# Altium PCB Brake Module PCB R6.PcbDoc (part 1 of 3)
Units mm, origin at the board's own origin, x right, y up, seen from the top; angles counter-clockwise.
Board outline 73.35 x 121.67 mm, 4 copper layers (Top Layer, GND, Power, Bottom Layer), stack 1.371 mm thick; 150 components, 97 nets, 517 pads, 201 vias.
Unrouted connection lines stored in the file: 1.
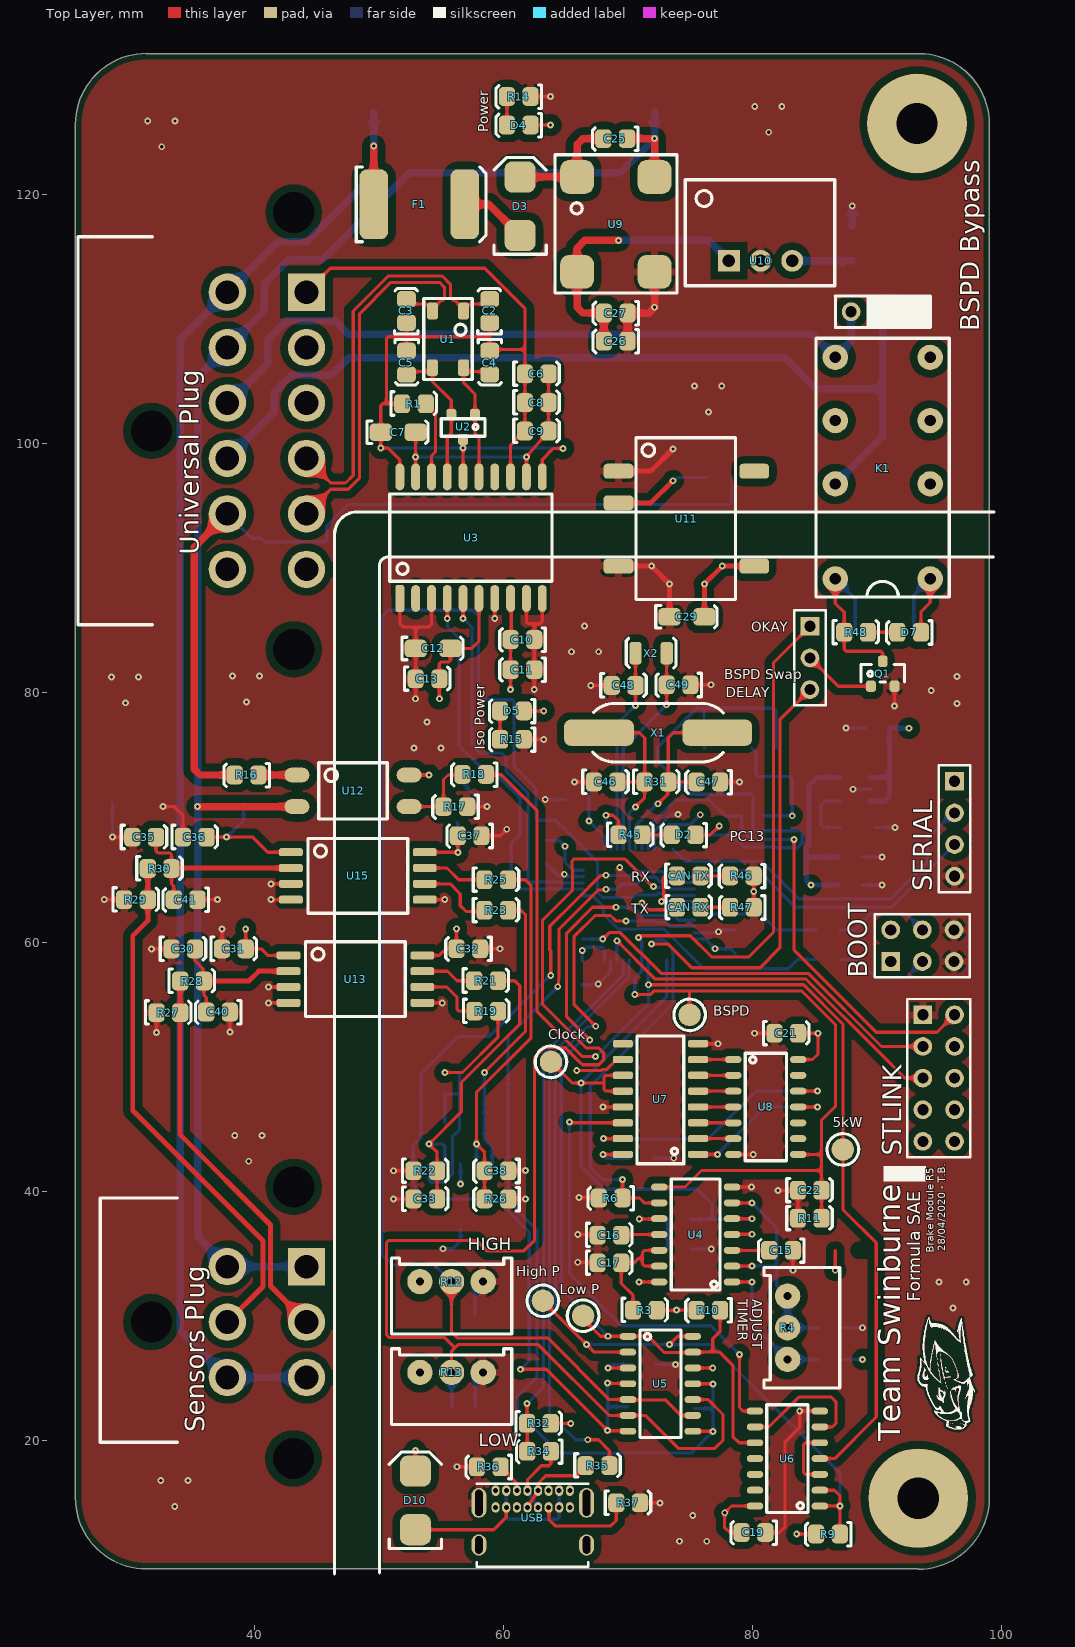
[diagram p0: Top Layer view]
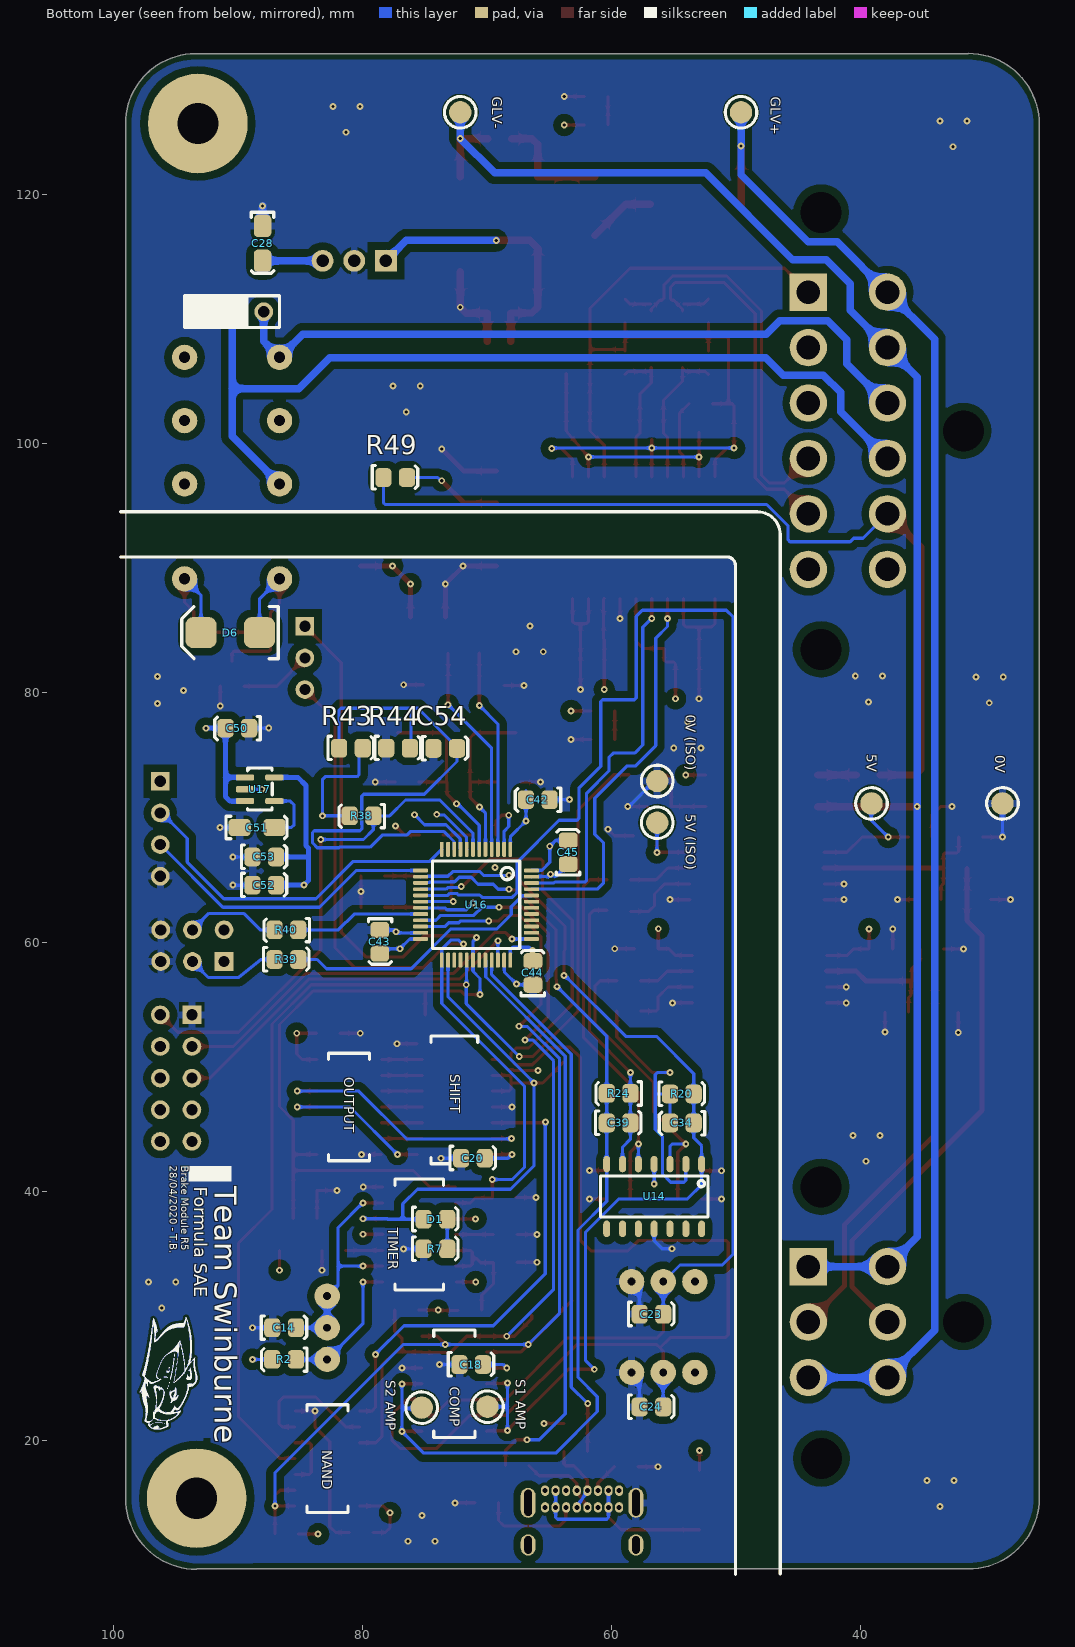
[diagram p1: Bottom Layer view, seen from below]
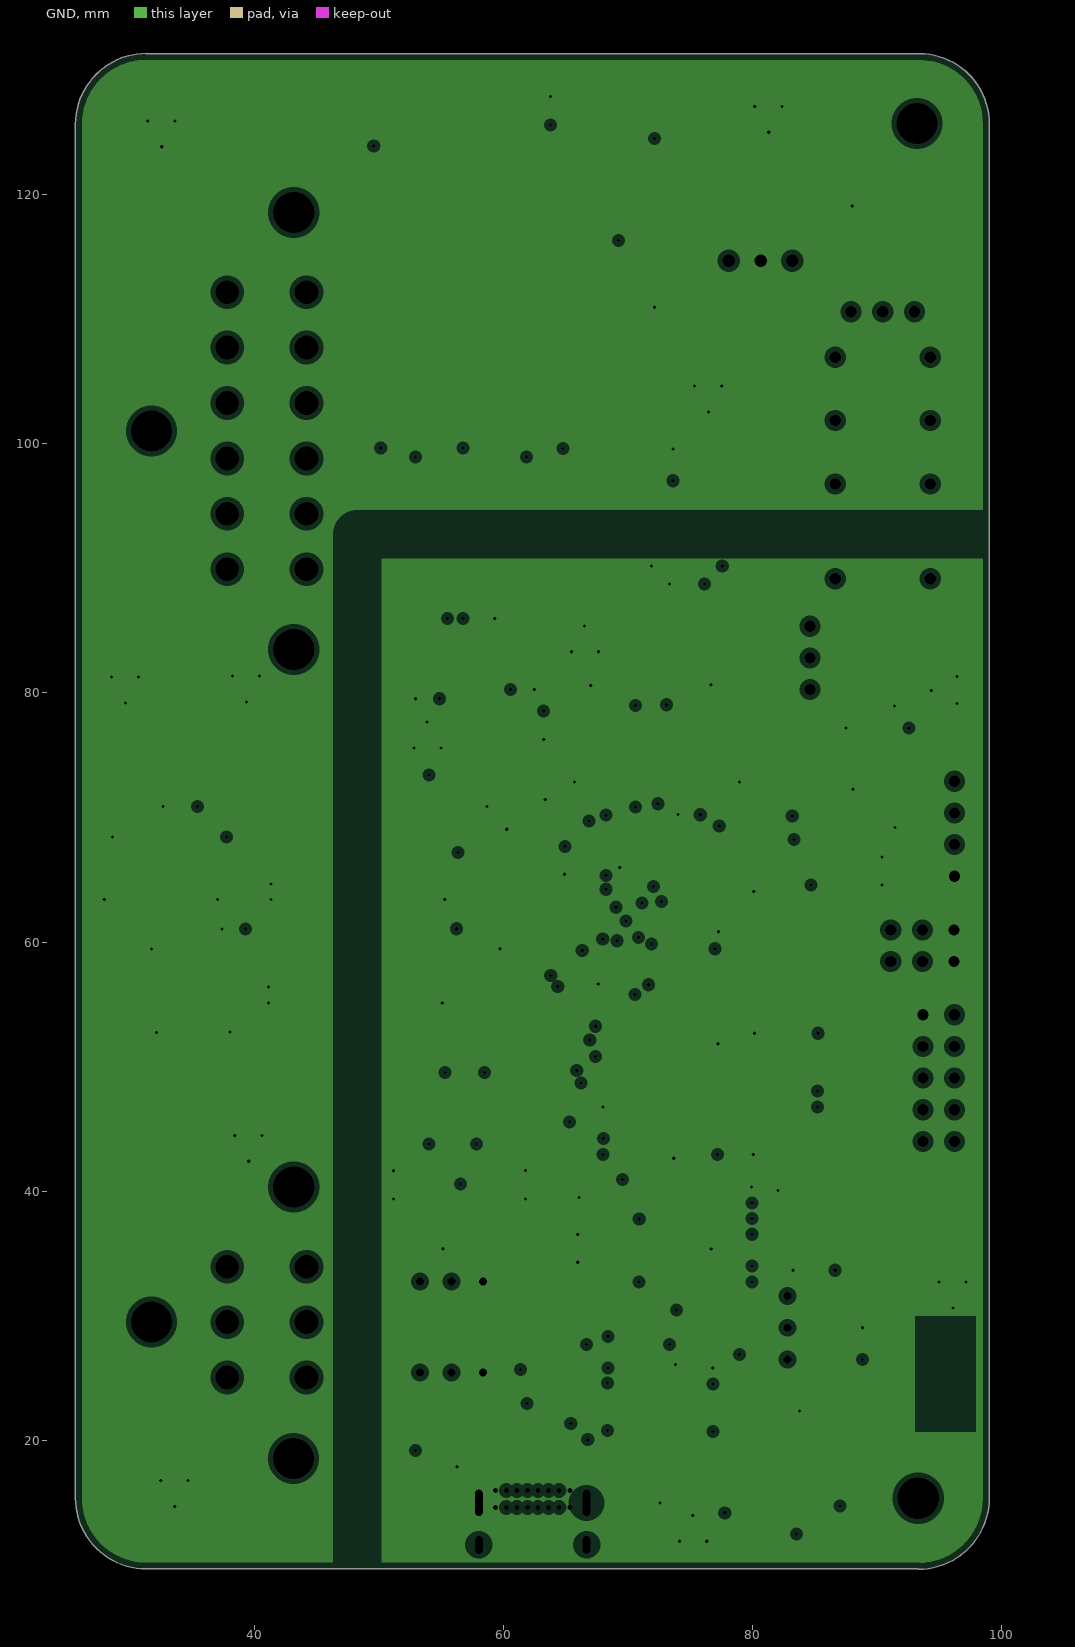
[diagram p2: GND, clearances drawn from the general rule]
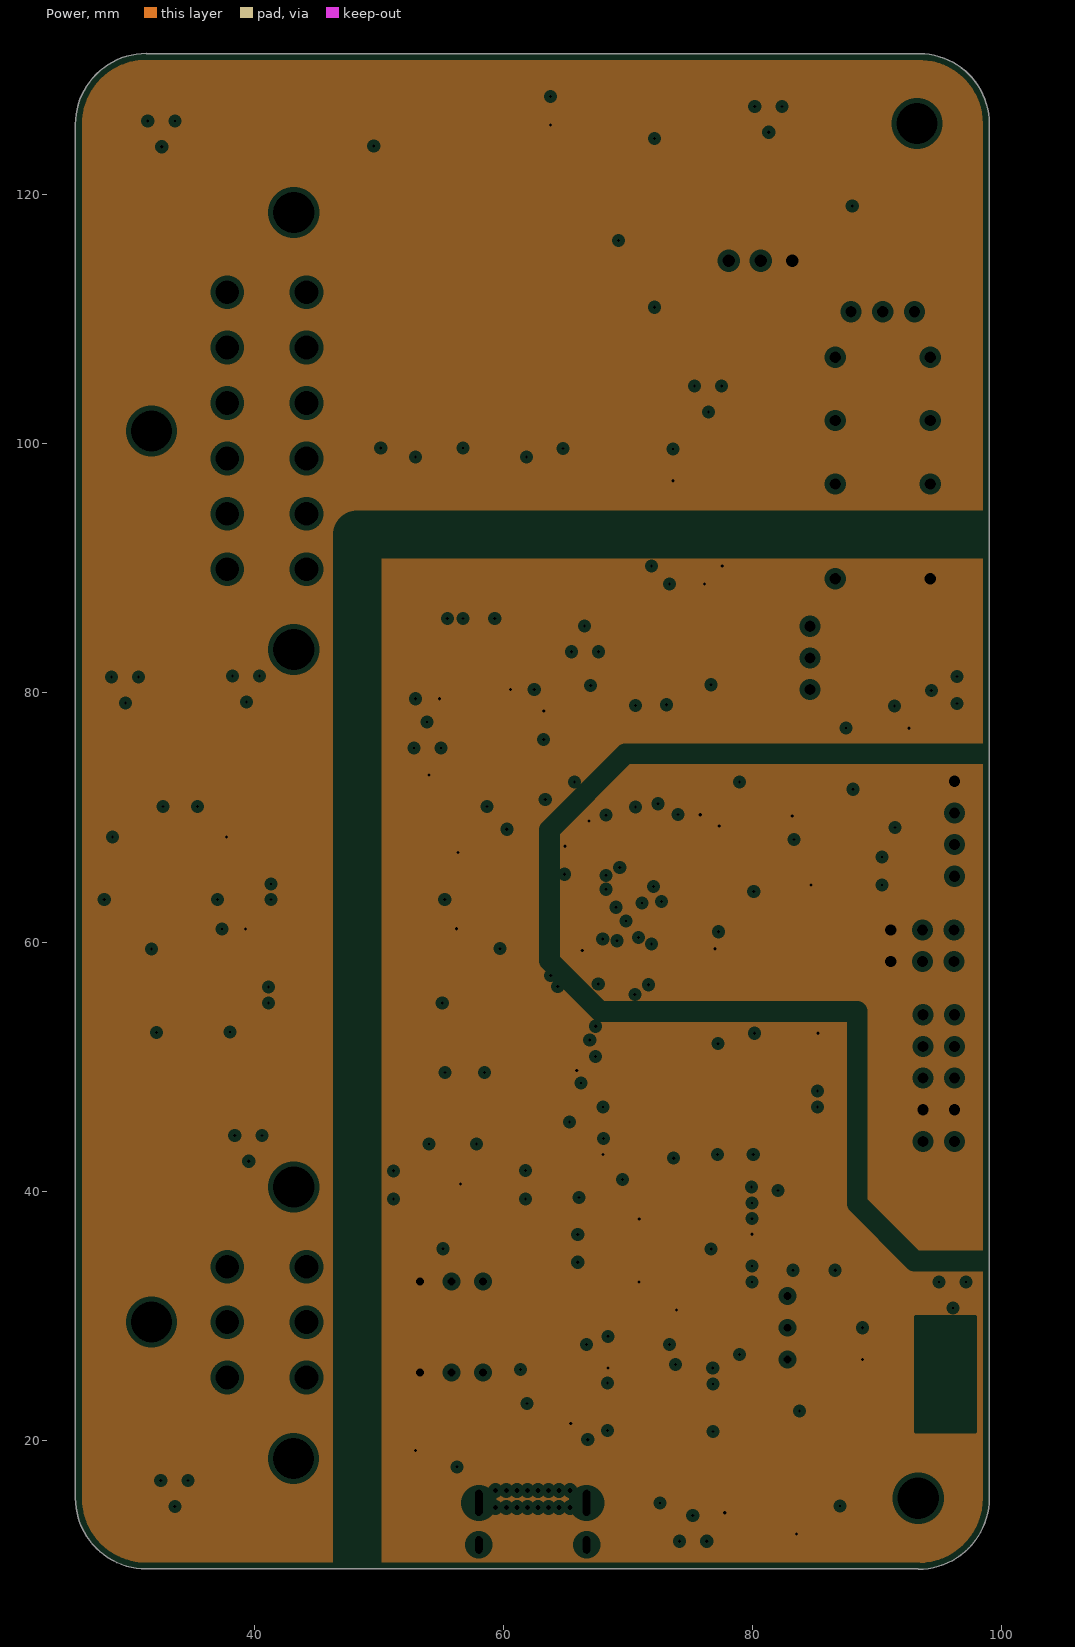
[diagram p3: Power, clearances drawn from the general rule]

## Layer stack, top to bottom
Top Solder: solder mask 0.025, Solder Resist, Dk 3.5
Top Layer: signal copper 0.035
Dielectric 2: prepreg 0.13, PP-006, Dk 4.1
Dielectric 4: prepreg 0.13, PP-006, Dk 4.1
GND: plane copper 0.035, net (Multiple Nets)
Dielectric 1: dielectric 0.711, FR-4, Dk 4.8
Power: plane copper 0.035, net (Multiple Nets)
Dielectric 5: prepreg 0.13, PP-006, Dk 4.1
Dielectric 3: prepreg 0.13, PP-006, Dk 4.1
Bottom Layer: signal copper 0.035
Bottom Solder: solder mask 0.025, Solder Resist, Dk 3.5

## Board outline
25.654,15.371 25.654,125.629 25.65,125.625 cw(c31.35,125.625) 31.35,131.325 31.343,131.318 93.382,131.318 93.4,131.3 cw(c93.4,125.699) 99.001,125.699 99,125.7 99,15.35 cw(c93.3,15.35) 93.3,9.65 93.3,9.677 31.35,9.677 31.35,9.675 cw(c31.35,15.375)

## Design rules (kind name [scope] priority, off if disabled: settings)
Clearance [All] p1: gap=0.254 ignorepadtopadclearanceinfootprint=FALSE except(0: Arc-Hole Track-Hole SMDPad-Hole THPad-Hole Via-Hole Fill-Hole Poly-Hole Region-Hole Text-Hole; 0.1: THPad-THPad; 0.152: Arc-SMDPad Track-SMDPad SMDPad-SMDPad; 0.2: Arc-THPad Track-THPad SMDPad-THPad THPad-Via; 0.203: Arc-Arc Arc-Track Arc-Region Track-Track Track-Region SMDPad-Region THPad-Region Via-Region Fill-Region Poly-Region Region-Region; 0.6: Arc-Poly Track-Poly SMDPad-Poly THPad-Poly Via-Poly Fill-Poly Poly-Poly)
DiffPairsRouting [All] p1: maxlimit=0.254 minlimit=0.254 mostfreqgap=0.254 toplayer_minwidth=0.381 toplayer_maxwidth=0.381 toplayer_prefwidth=0.381 bottomlayer_minwidth=0.381 bottomlayer_maxwidth=0.381 bottomlayer_prefwidth=0.381 maxuncoupledlength=12.7
Height [All] p1: minheight=0 maxheight=50 prefheight=12.7
HoleSize [All] p1: absolutevalues=TRUE maxlimit=10 minlimit=0.025 maxpercent=80.000 minpercent=20.000
PlaneClearance [All] p1: clearance=0.4
PlaneConnect [All] p1: pad.planeconnectstyle=Relief pad.reliefexpansion=0.508 pad.reliefentries=4 pad.reliefconductorwidth=0.8 pad.reliefairgap=0.254 via.planeconnectstyle=Direct via.reliefexpansion=0.508 via.reliefentries=4 via.reliefconductorwidth=0.8 via.reliefairgap=0.254
PolygonConnect [All] p1: thpad.connectstyle=Relief thpad.reliefconductorwidth=0.6 thpad.reliefentries=4 thpad.polygonreliefangle="90 Angle" thpad.airgapwidth=0.254 smdpad.connectstyle=Relief smdpad.reliefconductorwidth=0.6 smdpad.reliefentries=4 smdpad.polygonreliefangle="90 Angle" smdpad.airgapwidth=0.254 via.connectstyle=Direct via.reliefconductorwidth=0.6 via.reliefentries=4 via.polygonreliefangle="90 Angle" via.airgapwidth=0.254
RoutingVias [All] p1: holewidth=0.711 width=1.27 viastyle="Through Hole" minholewidth=0.203 minwidth=0.254 maxholewidth=0.711 maxwidth=1.27
SolderMaskExpansion [All] p1: expansion=0.051 istentingtop=FALSE
Width [All] p1: maxlimit=3 minlimit=0.127 preferedwidth=0.5
25 further rules are at their usual default settings.

## Classes and differential pairs
differential pair class CANBUS: CANH CANL
component class "U_Safety Loops": "BSPD Bypass" "BSPD Swap" D6 D7 K1 Q1 R48
component class "U_Power Supply": 0V "0V (ISO)" 5V "5V (ISO)" C25 C26 C27 C28 C29 D3 D4 D5 F1 GLV+ GLV- R14 R15 U9 U10 U11
component class U_Microcontroller: BOOT C42 C43 C44 C45 C46 C47 C48 C49 C50 C51 C52 C53 C54 "CAN RX" "CAN TX" D2 D10 R31 R32 R34 R35 R36 R37 R38 R39 R40 R43 R44 R45 R46 R47 SERIAL STLINK U16 U17 USB X1 X2
component class U_Isolation: C30 C31 C32 C33 C34 C35 C36 C37 C38 C39 R16 R17 R18 R19 R20 R21 R22 R23 R24 R25 R26 R49 "S1 AMP" "S2 AMP" U12 U13 U14 U15
component class "U_Input Filter": C40 C41 R27 R28 R29 R30
component class U_CAN: C2 C3 C4 C5 C6 C7 C8 C9 C10 C11 C12 C13 "CAN RX" "CAN TX" R1 U1 U2 U3
component class U_BSPD: 5kW BSPD C14 C15 C16 C17 C18 C19 C20 C21 C22 C23 C24 Clock D1 "High P" "Low P" R2 R3 R4 R6 R7 R9 R10 R11 R12 R13 U4 U5 U6 U7 U8
component class "Top Level": "Sensors Plug" "Universal Plug"
differential pair CANBUS: +CANH_P -CANL_N

## Components (designator, comment, footprint, x,y, rotation, side; value= is the part's Value field where it differs from the comment)
0V "0mm" "SMD Test Point" 28.616,71.125 r180 bottom
"0V (ISO)" "0mm" "SMD Test Point" 56.325,72.925 r90 bottom
5kW "0mm" "SMD Test Point" 87.25,43.35 r0 top
5V "0mm" "SMD Test Point" 39.128,71.125 r180 bottom
"5V (ISO)" "0mm" "SMD Test Point" 56.325,69.575 r90 bottom
BOOT "2.54mm" "TH 2.54mm Header 2x3" 91.095,58.435 r0 top
BSPD "0mm" "SMD Test Point" 74.95,54.15 r90 top
"BSPD Bypass" "2.54mm" "TH 2.54mm Header 1x3" 92.992,110.592 r180 top
"BSPD Swap" "2.54mm" "TH 2.54mm Header 1x3" 84.61,85.344 r270 top
C2 "100pF" 0805 58.877,110.666 r90 top
C3 "100pF" 0805 52.197,110.666 r90 top
C4 "100pF" 0805 58.929,106.5 r270 top
C5 "100pF" 0805 52.249,106.5 r270 top
C6 "100nF" 0805 62.687,105.636 r0 top
C7 "10nF" 1206 52.759,100.923 r0 top
C8 "10uF" 0805 62.687,103.327 r0 top
C9 "100nF" 0805 62.687,101.041 r0 top
C10 "10uF" 0805 61.517,84.252 r180 top
C11 "100nF" 0805 61.517,81.839 r180 top
C12 "10nF" 1206 55.559,83.566 r0 top
C13 "100nF" 0805 53.921,81.153 r0 top
C14 "10uF" 0805 86.263,29.062 r180 bottom
C15 "10pF" 0805 82.275,35.224 r180 top
C16 "100pF" 0805 68.525,36.5 r0 top
C17 "10uF" 0805 68.525,34.275 r0 top
C18 "100nF" 0805 71.245,26.112 r180 bottom
C19 "100nF" 0805 80.063,12.578 r180 top
C20 "100nF" 0805 71.11,42.673 r180 bottom
C21 "100nF" 0805 82.725,52.7 r0 top
C22 "100nF" 0805 84.6,40.1 r0 top
C23 "100nF" 0805 56.78,30.15 r180 bottom
C24 "100nF" 0805 56.78,22.708 r180 bottom
C25 "10uF" 0805 68.961,124.46 r180 top
C26 "10uF" 0805 69.009,108.204 r180 top
C27 "10uF" 0805 69.009,110.464 r180 top
C28 "22uF" 1206 88.003,114.881 r270 bottom
C29 "22uF" 1206 75.936,86.106 r0 top
C30 "100nF" 0805 34.314,59.472 r0 top
C31 "100nF" 0805 38.378,59.472 r0 top
C32 "100nF" 0805 57.175,59.436 r180 top
C33 "100pF" 0805 53.742,39.401 r0 top
C34 "100pF" 0805 54.362,45.45 r0 bottom
C35 "100nF" 0805 31.178,68.442 r0 top
C36 "100nF" 0805 35.242,68.442 r0 top
C37 "100nF" 0805 57.275,68.5 r180 top
C38 "100pF" 0805 59.428,41.609 r180 top
C39 "100pF" 0805 59.418,45.502 r180 bottom
C40 "100nF" 0805 37.084,54.356 r180 top
C41 "100nF" 0805 34.484,63.374 r180 top
C42 "1uF" 0805 65.925,71.4 r0 bottom
C43 "100nF" 0805 78.563,60.012 r270 bottom
C44 "100nF" 0805 66.33,57.53 r90 bottom
C45 "100nF" 0805 63.496,67.218 r90 bottom
C46 "22pF" 0805 68.225,72.875 r0 top
C47 "22pF" 0805 76.438,72.823 r180 top
C48 "22pF" 0805 69.669,80.62 r0 top
C49 "22pF" 0805 74.045,80.62 r180 top
C50 "1uF" 0805 90.043,77.14 r0 bottom
C51 "22uF" 1206 87.249,69.19 r180 bottom
C52 "100nF" 0805 87.859,64.592 r180 bottom
C53 "1uF" 0805 87.859,66.853 r180 bottom
C54 "100nF" 0805 73.332,75.565 r180 bottom
"CAN RX" "Blue" "0805 LED" 74.895,62.814 r0 top
"CAN TX" "Blue" "0805 LED" 74.889,65.331 r0 top
Clock "0mm" "SMD Test Point" 63.821,50.379 r90 top
D1 "Yellow" "0805 LED" 74.12,37.775 r180 bottom
D2 "Red" "0805 LED" 74.459,68.576 r180 top
D3 "SD560BTR" "SMB Diode" 61.341,116.962 r90 top
D4 "Red" "0805 LED" 61.222,125.554 r180 top
D5 "Red" "0805 LED" 60.675,78.523 r180 top
D6 "SD560BTR" "SMB Diode" 88.496,84.836 r0 bottom
D7 "Green" "0805 LED" 92.56,84.836 r180 top
D10 "SD560BTR" "SMB Diode" 52.934,13.076 r90 top
F1 "0ZCF0100AF2A" 2920 49.596,119.215 r0 top
GLV+ "0mm" "SMD Test Point" 49.6,126.6 r90 bottom
GLV- "0mm" "SMD Test Point" 72.133,126.6 r90 bottom
"High P" "0mm" "SMD Test Point" 63.175,31.2 r90 top
K1 "V23105A5475A201" "TI 2-DIL" 90.452,98.044 r90 top
"Low P" "0mm" "SMD Test Point" 66.4,30 r90 top
Q1 "2N7002K" "ON SOT-23 MOSFET" 90.452,81.534 r0 top
R1 "0R" 0805 52.833,103.234 r0 top
R2 "10k" 0805 86.287,26.47 r0 bottom
R3 "1M" 0805 71.375,30.475 r0 top
R4 "10K (Var)" "B 3296" 83.375,28.95 r270 top
R6 "20k" 0805 68.6,39.425 r180 top
R7 "1.5k" 0805 74.12,35.397 r180 bottom
R9 "3.3k" 0805 86.046,12.453 r180 top
R10 "3.3k" 0805 76.438,30.424 r180 top
R11 "10k" 0805 84.6,37.85 r0 top
R12 "10K (Var)" "B 3296" 55.756,32.176 r180 top
R13 "10K (Var)" "B 3296" 55.756,24.892 r180 top
R14 "680R" 0805 61.222,127.84 r180 top
R15 "680R" 0805 60.675,76.237 r180 top
R16 "680R" 0805 39.37,73.38 r180 top
R17 "10k" 0805 56.134,70.84 r180 top
R18 "100R" 0805 57.65,73.425 r180 top
R19 "10k" 0805 58.637,54.476 r0 top
R20 "10k" 0805 54.338,47.828 r180 bottom
R21 "10k" 0805 58.62,56.922 r0 top
R22 "10k" 0805 53.742,41.661 r0 top
R23 "10k" 0805 59.437,62.576 r0 top
R24 "10k" 0805 59.442,47.828 r0 bottom
R25 "10k" 0805 59.436,65.024 r0 top
R26 "10k" 0805 59.428,39.349 r180 top
R27 "200R" 0805 33.122,54.356 r0 top
R28 "1k" 0805 35.022,56.896 r0 top
R29 "200R" 0805 30.522,63.426 r0 top
R30 "1k" 0805 32.422,65.925 r0 top
R31 "10M" 0805 72.3,72.875 r0 top
R32 "1.5k" 0805 62.868,21.387 r0 top
R34 "20R" 0805 62.853,19.085 r180 top
R35 "20R" 0805 67.575,18 r0 top
R36 "5.1k" 0805 58.813,17.849 r180 top
R37 "5.1k" 0805 70.028,15.009 r0 top
R38 "10k" 0805 80.075,70.1 r0 bottom
R39 "10k" 0805 86.075,58.625 r180 bottom
R40 "10k" 0805 86.1,60.95 r0 bottom
R43 "10k" 0805 80.897,75.591 r180 bottom
R44 "10K (NTC) (B25/85 3430K)" 0805 77.118,75.591 r180 bottom
R45 "510R" 0805 70.214,68.628 r0 top
R46 "510R" 0805 79.132,65.278 r180 top
R47 "510R" 0805 79.138,62.761 r180 top
R48 "680R" 0805 88.32,84.888 r0 top
R49 "3.3k" 0805 77.346,97.308 r180 bottom
"S1 AMP" "0mm" "SMD Test Point" 69.95,22.7 r270 bottom
"S2 AMP" "0mm" "SMD Test Point" 75.225,22.625 r90 bottom
"Sensors Plug" "DT13-6P" DT13-6P 27.746,22.542 r270 top
SERIAL "2.54mm" "TH 2.54mm Header 1x4" 96.215,72.9 r270 top
STLINK "2.54mm" "TH 2.54mm Header 2x5" 93.675,54.155 r270 top
U1 "B82787C0104H002" "TDK 4-PC Pad" 56.805,110.644 r270 top
U2 "NUP2105L" "ON SOT-23" 56.769,101.346 r180 top
U3 "ADM3053" "AD SOIC-W 20" 57.404,92.456 r0 top
U4 "NE556DR" "14 SOIC" 75.38,36.303 r90 top
U5 "LMV339IDR" "TI 14-SOIC" 67.406,9.3 r270 top
U6 "SN74HC00DR" "TI 14-SOIC" 88,33.775 r90 top
U7 "MC74HC595ADR2G" "ON 16-SOIC" 72.731,42.947 r180 top
U8 "CD74HC30M96" "TI 14-SOIC" 75.857,31.517 r270 top
U9 "744272121" "Wurth 4-PC Pad" 72.133,113.792 r90 top
U10 "R-78C5.0-1.0" "RECOM 3-SIP" 78.105,114.681 r0 top
U11 "R2S-0505/HP" "RECOM 8-SMD (5 Pin)" 74.636,93.98 r270 top
U12 "LTV-817S-TA1" "ON 4-SMD" 48.184,72.136 r0 top
U13 "ACPL-C870" "BROAD 8-SOIC" 48.121,57.023 r270 top
U14 "LM324D" "TI 14-SOIC" 71.81,44.774 r0 bottom
U15 "ACPL-C870" "BROAD 8-SOIC" 48.319,65.303 r270 top
U16 "STM32F103C8T6" "STM 48-LQFP" 70.866,62.992 r0 bottom
U17 "RT9193-33GB" "RICHTEK SOT-23-5" 88.417,72.212 r270 bottom
"Universal Plug" "DT13-12P" DT13-12P 37.846,112.166 r270 top
USB "USB4085-GF-A" USB4085-GF-A 62.23,11.938 r0 top
X1 "8MHz" "Abracon HC-49/US" 72.425,76.8 r0 top
X2 "32.768kHz" "EPSON 2-SMD" 71.857,83.185 r0 top
